# Altium PCB LF_UltraLight_BluClassic.PcbDoc (part 2 of 2)
Units mm, origin at the board's own origin, x right, y up, seen from the top; angles counter-clockwise.
Board outline 130.4 x 63.7 mm, 4 copper layers (Top Layer, Int1 (GND), SignalLay, Bottom Layer), stack 0.55 mm thick; 72 components, 75 nets, 405 pads, 136 vias.
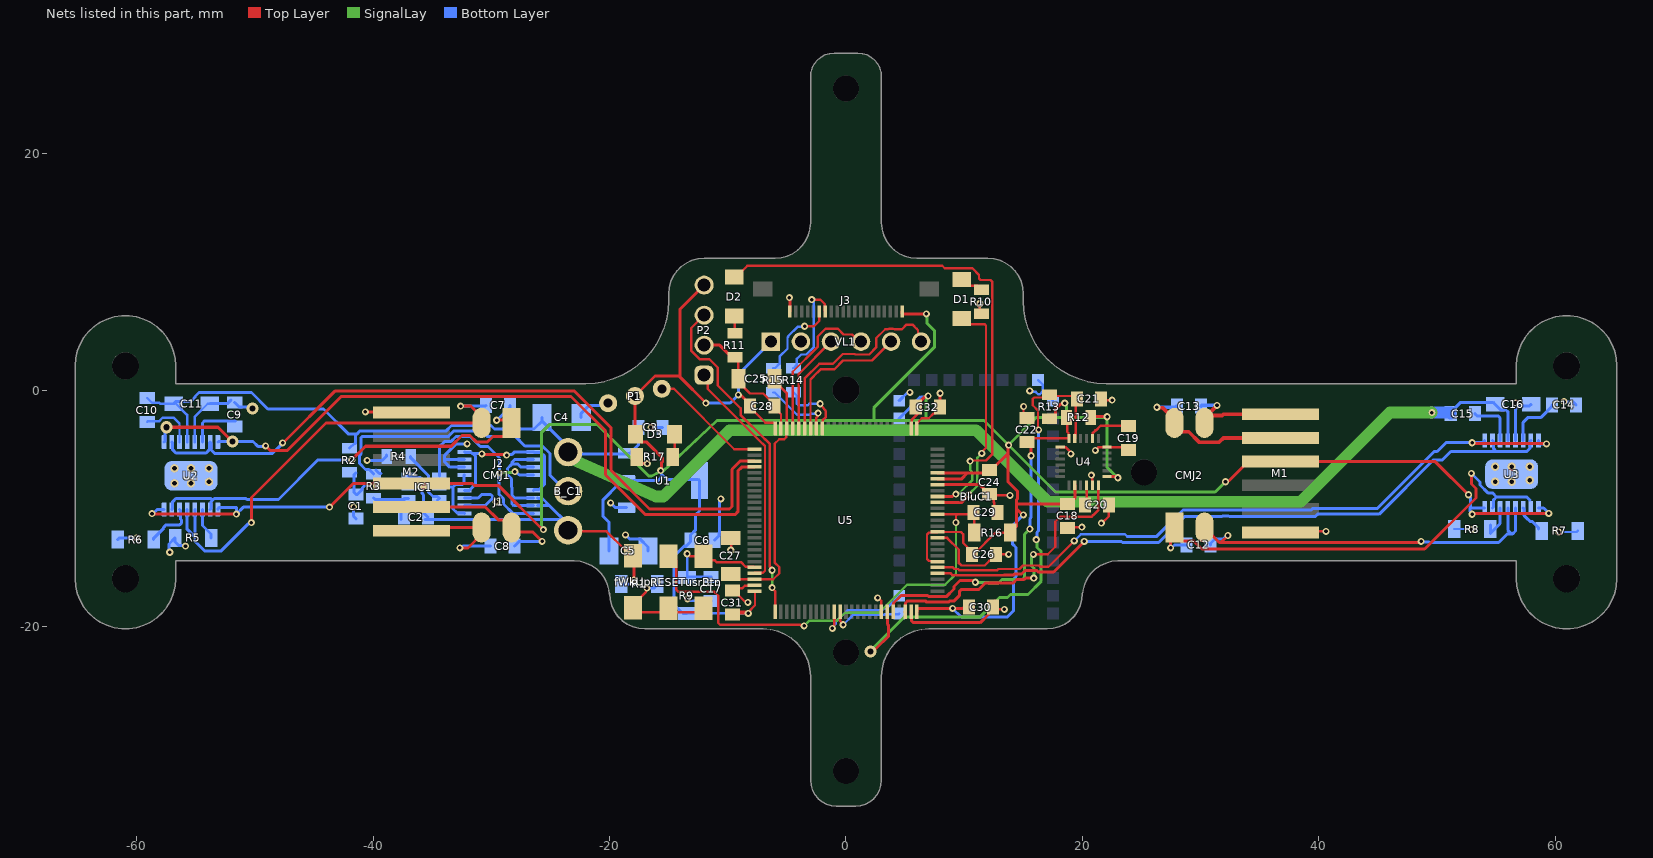
[diagram p4: the nets of this part, all layers, seen from the top]

## Via types
v1: diameter 0.6, hole 0.3, Top Layer to Bottom Layer, tented both sides, 130 vias
v2: diameter 1.016, hole 0.508, Top Layer to Bottom Layer, tented both sides, 6 vias

## Nets (pads, with @x,y where several pads share a name; then routed paths per layer and width w, separated by ;. In a path a pad name is that pad's centre, name@x,y a point inside that pad or via, vN(x,y) a via of type N, cw(c..) or ccw(c..) an arc to the next point about the centre after c; other vN are vias at no path point) (continued)
GND: BluC1.13 BluC1.21 BluC1.22 C1.1 C3.2 C4.2 C5.2 C6.2 C9.2 C11.2 C14.2 C16.2 C17.2 C18.2 C19.2 C20.2 C21.2 C22.2 C24.2 C25.1 C26.2 C27.1 C28.2 C29.2 C30.2 C31.2 C32.2 fWkUp.2 J1.6 J1.7 J2.6 J2.7 J3.20 M1.1 M2.1 P1.3 P2.2 R1.2 R4.1 R5.2 R6.2 R7.2 R8.2 R10.2 R11.2 R17.2 RESET.2 U1.1 U2.13 U2.17 U3.13 U3.17 U4.1 U4.11 U4.18 U5.10 U5.19 U5.26 U5.49 U5.74 U5.94 U5.99 usrBtn.2 VL1.2 | length 132.2
  Top Layer w0.203: fWkUp.2@-17.95,-18.4 -17.95,-18.112 -16.912,-17.074 -16.912,-16.826 v1(-16.836,-16.75) ; fWkUp.2@-17.35,-18.8 usrBtn.2@-12.2,-18.8 ; v1(-9.744,-13.546) -9.7,-13.502 C27.1@-9.7,-12.452 ; C31.2@-9.65,-16.968 -9.473,-16.968 -8.567,-17.874 -8.376,-17.874 v1(-8.3,-17.95) ; C31.2@-9.584,-17.034 -9.294,-16.744 -8.76,-16.744 -8.565,-16.548 -7.798,-16.548 U5.74@-7.75,-16.5 ; R11.2@-9.4,2.768 -9.1,2.468 C25.1@-9.1,0.95 -9.1,0.696 -8.115,-0.289 -7.002,-0.289 -6.068,-1.223 C28.2@-6.068,-1.35 -6.068,-1.477 -5.5,-2.045 U5.49@-5.5,-3.25 ; v1(2.672,-17.572) 2.759,-17.659 2.809,-17.659 2.995,-17.845 2.995,-18.745 U5.94@3,-18.75 ; U5.26@6,-3.25 6,-2.8 6.413,-2.387 6.995,-2.387 7.399,-1.983 7.526,-1.983 7.932,-1.577 C32.2@7.932,-1.45 ; U5.10@7.75,-12.5 8.55,-12.5 9.55,-13.5 9.55,-14.631 9.756,-14.837 11.73,-14.837 12.133,-14.433 12.294,-14.433 12.482,-14.245 C26.2@12.482,-13.85 ; v1(11.316,7.301) 11.316,6.602 R10.2@11.45,6.468 ; C24.2@12.15,-8.8 C24.2@12.25,-8.9 ; C30.2@12.582,-17.82 12.768,-18.006 12.768,-18.48 12.838,-18.55 v1(13.392,-18.55) ; C26.2@12.7,-13.9 v1(13.75,-13.9) ; C29.2@12.8,-10.35 12.529,-10.079 12.529,-9.529 12.494,-9.494 12.494,-9.144 C24.2@12.25,-8.9 ; v1(13.87,-8.9) C24.2@12.25,-8.9 ; v1(15.016,-1.39) 15.016,-2.066 C22.2@15.3,-2.35 ; U4.1@18.13,-4.82 18.158,-4.848 18.61,-4.848 18.952,-5.191 18.952,-5.324 v1(19.028,-5.4) ; C18.2@18.75,-11.65 18.81,-11.59 v1(19.95,-11.59) ; v1(20.751,-7.193) 20.822,-7.264 20.822,-8.012 U4.11@20.85,-8.04 ; v1(21.1,-5.1) 21.352,-4.848 22.042,-4.848 U4.18@22.07,-4.82 23.638,-4.82 C19.2@23.9,-5.082 ; C21.2@21.55,-0.75 21.65,-0.85 v1(22.51,-0.85) ; v1(21.6,-11.25) 21.65,-11.25 22.232,-10.668 C20.2@22.232,-9.7 ; M1.1@36.75,-12.05 36.85,-11.95 v1(40.6,-11.95)
  Top Layer w0.254: v1(-40.65,-1.85) -36.8,-1.85 M2.1@-36.75,-1.9 ; R17.2@-17.698,-5.65 -17.698,-5.916 -17.393,-6.221 v1(-16.814,-6.221) ; P2.2@-12,3.8 -10.686,3.8 -9.654,2.768 R11.2@-9.4,2.768 ; v1(-4.781,7.826) -4.75,7.795 J3.20@-4.75,6.65 ; U5.99@5.5,-18.75 5.523,-18.773 5.523,-19.485 5.715,-19.677 11.352,-19.677 12.051,-18.978 12.051,-18.858 12.432,-18.477 C30.2@12.432,-18.35 ; U5.19@7.75,-8 11.3,-8 11.642,-8.342 11.642,-8.419 12.023,-8.8 C24.2@12.15,-8.8 ; C32.2@7.932,-1.45 7.968,-1.414 v1(7.968,-0.263)
  Bottom Layer w0.203: U2.13@-55.075,-4.4 -55.075,-2.245 -53.98,-1.15 C11.2@-53.802,-1.15 ; v1(-13.4,-17.65) -13.293,-17.65 -13.111,-17.832 C17.2@-11.4,-17.832 ; v1(15.545,-0.075) 15.621,-0.15 16.039,-0.15 16.239,-0.35 16.407,-0.35 16.632,-0.125 16.725,-0.125 BluC1.22@17.5,-0.9 ; BluC1.21@16.25,0.85 16.648,0.452 16.648,-0.048 ; R8.2@51.452,-11.75 52.85,-11.75 v1(52.9,-11.8) ; v1(60.283,-12.002) 61.796,-12.002 R7.2@61.898,-11.9
  Bottom Layer w0.254: R6.2@-61.6,-12.65 -61.45,-12.5 v1(-60,-12.5) ; v1(-57.2,-13.714) -57.256,-13.658 -57.256,-13.008 R5.2@-56.748,-12.5 -56.748,-12.83 -56.443,-13.135 -55.929,-13.135 v1(-55.864,-13.2) ; C11.2@-53.802,-1.15 -52.327,-1.15 C9.2@-52.027,-0.85 ; C9.2@-51.7,-1.05 -51.319,-1.431 -50.319,-1.431 v2(-50.2,-1.55) ; v1(-41.65,-9.89) -41.65,-10.667 C1.1@-41.435,-10.882 ; v1(-40.503,-5.95) -39.231,-5.95 R4.1@-38.85,-5.569 ; R4.1@-38.85,-5.6 R4.1@-38.85,-5.473 ; J1.6@-32.275,-9.775 -30.525,-9.775 -29.902,-9.152 ; J1.7@-32.275,-9.125 -31.107,-9.125 -30.817,-8.835 -30.05,-8.835 -29.902,-8.984 -29.902,-9.152 ; J2.6@-32.275,-6.525 -33.503,-6.525 -33.943,-6.085 -33.943,-5.875 ; J2.7@-32.275,-5.875 -33.943,-5.875 ; v1(-32.05,-4.547) -32.974,-4.547 -33.943,-5.516 -33.943,-5.875 ; v1(-29.6,-9.453) -29.902,-9.152 ; C4.2@-22.4,-2.3 -22.4,-1.97 -21.714,-1.284 -20.296,-1.284 P1.3@-20.12,-1.108 ; v1(-19.906,-9.536) -19.491,-9.95 U1.1@-18.55,-9.95 ; v1(-18.65,-12.25) -18.316,-12.584 -17.434,-12.584 -16.748,-13.27 C5.2@-16.748,-13.6 ; v1(-16.836,-16.75) -16.257,-16.75 -15.952,-16.445 R1.2@-15.952,-16.4 ; v1(-16.5,-3.15) C3.2@-15.518,-3.15 ; C6.2@-11.118,-12.7 -10.737,-12.319 -10.737,-12.093 -10.687,-12.043 -10.687,-9.314 v1(-10.579,-9.206) ; BluC1.13@4.5,-0.9 5.15,-0.25 5.319,-0.25 5.38,-0.189 v1(5.4,-0.189) ; v1(56.613,-1.091) 56.641,-1.091 56.9,-1.35 ; U3.13@56.625,-4.265 56.625,-1.625 56.9,-1.35 ; C16.2@57.948,-1.2 57.798,-1.35 56.9,-1.35 ; v1(60.729,-0.98) 60.765,-1.016 61.516,-1.016 C14.2@61.75,-1.25
I2C1_SCL_MPU6050: C21.1 R13.2 U4.23 U5.95 | length 43.2
  Top Layer w0.203: v1(16.292,-3.363) 16.237,-3.307 16.237,-1.717 15.8,-1.28 15.8,-0.742 15.919,-0.623 17.077,-0.623 17.2,-0.5 19.268,-0.5 C21.1@19.518,-0.75 ; U4.23@19.35,-4.1 19.378,-4.072 19.378,-3.728 19.418,-3.688 C21.1@19.418,-1.364
  Top Layer w0.254: v2@2.5,-21.9 3.609,-20.791 3.609,-19.903 3.5,-19.794 U5.95@3.5,-18.75
  SignalLay w0.254: v2(2.059,-22.112) 2.059,-22.076 4.955,-19.18 11.361,-19.18 12.438,-18.104 12.438,-18.087 12.975,-17.55 13.65,-17.55 13.92,-17.28 15.391,-17.28 16.51,-16.161 16.51,-13.66 16.16,-13.31 16.16,-12.716 v1(16.094,-12.65)
  Bottom Layer w0.254: v1(16.094,-12.65) 16.16,-12.584 16.16,-12.031 16.267,-11.924 16.267,-5.824 16.28,-5.811 16.28,-5.289 16.267,-5.276 16.267,-3.388 v1(16.292,-3.363)
I2C1_SDA_MPU6050: C22.1 R12.2 U4.24 U5.96 | length 30
  Top Layer w0.203: C22.1@15.35,-3.982 15.44,-4.072 18.822,-4.072 18.822,-3.643 18.718,-3.54 R12.2@18.718,-2.6
  Top Layer w0.254: U5.96@4,-18.75 4.023,-18.727 4.023,-18.015 4.672,-17.366 6.904,-17.366 7.015,-17.477 8.485,-17.477 9.131,-16.831 9.131,-16.617 9.648,-16.1 10.75,-16.1 10.905,-16.255 v1(10.95,-16.255) ; C22.1@15.3,-4.382 15.65,-4.732 v1(15.65,-5.55)
  SignalLay w0.254: v1(10.95,-16.255) 12.005,-16.255 12.05,-16.3 12.932,-16.3 13.232,-16 14.951,-16 15.1,-15.851 15.1,-12.203 15.55,-11.753 v1(15.55,-11.75)
  Bottom Layer w0.254: v1(15.55,-11.75) 15.55,-10.891 15.65,-10.791 v1(15.65,-5.55)
I2C_VL53_SCL: U5.46 VL1.3 | length 8.5
  Top Layer w0.203: U5.46@-4,-3.25 -4,1.37 VL1.3@-1.27,4.1
I2C_VL53_SDA: U5.47 VL1.4 | length 13
  Top Layer w0.203: U5.47@-4.5,-3.25 -4.5,1.55 -2.4,3.65 -2.4,4.511 -1.721,5.19 -0.69,5.19 -0.2,4.7 0.497,4.7 1.097,4.1 VL1.4@1.27,4.1
IR_DATA_IN: P1.1 U5.51 | length 9.9
  Top Layer w0.203: P1.1@-15.58,0.108 -14.558,0.108 -9.45,-5 U5.51@-7.75,-5
M1_uC_PWM1: U3.9 U3.16 U5.5 | length 58.5
  Top Layer w0.203: U5.5@7.75,-15 9.05,-15 9.181,-15.131 9.476,-15.131 9.587,-15.243 12.785,-15.243 12.896,-15.131 14.667,-15.131 14.96,-14.838 16.32,-14.838 16.432,-14.95 17.109,-14.95 v1(19.303,-12.756)
  Top Layer w0.254: v1(52.95,-4.45) 53,-4.5 59.2,-4.5 v1(59.25,-4.55)
  Bottom Layer w0.203: v1(19.303,-12.756) 19.864,-12.195 23.595,-12.195 23.8,-12.4
  Bottom Layer w0.254: 23.8,-12.4 26.25,-12.4 28.5,-10.15 39.35,-10.15 39.498,-10.002 44.952,-10.002 49.754,-5.2 50,-5.2 50.75,-4.45 v1(52.95,-4.45) 53.952,-4.45 54.025,-4.377 U3.9@54.025,-4.265 ; U3.16@58.575,-4.265 58.575,-4.477 58.648,-4.55 v1(59.25,-4.55)
M1_uC_PWM2: U3.10 U3.15 U5.4 | length 56.6
  Top Layer w0.203: U5.4@7.75,-15.5 8.85,-15.5 9,-15.65 13.35,-15.65
  Top Layer w0.254: 13.35,-15.65 14.154,-15.65 14.241,-15.563 14.846,-15.563 15.139,-15.27 16.141,-15.27 16.253,-15.382 17.568,-15.382 v1(20.15,-12.8)
  Bottom Layer w0.254: v1(20.15,-12.8) 23.297,-12.8 23.397,-12.9 26.45,-12.9 28.65,-10.7 31.801,-10.7 31.848,-10.653 32.371,-10.653 32.418,-10.7 39.7,-10.7 39.9,-10.5 45.1,-10.5 49.7,-5.9 50.45,-5.9 51.158,-5.192 55.019,-5.192 ; U3.10@54.675,-4.265 54.748,-4.338 54.748,-4.921 55.019,-5.192 ; U3.15@57.925,-4.265 57.852,-4.338 57.852,-4.921 57.581,-5.192 55.019,-5.192
M2_uC_PWM1: U2.9 U2.16 U5.54 | length 65
  Top Layer w0.254: v2(-57.457,-3.143) -53.107,-3.143 v2(-51.9,-4.35) ; v1(-49.096,-4.72) -49.08,-4.72 -48.7,-5.1 -47.25,-5.1 -42.694,-0.544 -23.256,-0.544 -20.35,-3.45 -20.35,-7.15 -16.957,-10.543 -9.393,-10.543 -9.15,-10.3 -9.15,-6.85 -8.823,-6.523 -7.773,-6.523 U5.54@-7.75,-6.5
  Bottom Layer w0.254: U2.9@-57.675,-4.4 -57.602,-4.327 -57.602,-3.288 v2(-57.457,-3.143) ; U2.16@-53.125,-4.4 -53.075,-4.35 -50.15,-4.35 -49.746,-4.754 -49.13,-4.754 v1(-49.096,-4.72)
M2_uC_PWM2: U2.10 U2.15 U5.53 | length 63.4
  Top Layer w0.254: v1(-47.65,-4.47) -47.62,-4.47 -43.237,-0.087 -22.963,-0.087 -19.893,-3.157 -19.893,-6.757 -19.75,-6.9 -19.75,-6.914 -16.614,-10.05 -9.85,-10.05 -9.65,-9.85 -9.65,-6.704 -8.946,-6 U5.53@-7.75,-6
  Bottom Layer w0.254: U2.10@-57.025,-4.4 -56.952,-4.473 -56.952,-5.056 -56.681,-5.327 -54.119,-5.327 -53.848,-5.056 -53.848,-4.473 U2.15@-53.775,-4.4 -53.702,-4.473 -53.702,-5.056 -53.408,-5.35 -48.5,-5.35 -47.65,-4.5 v1(-47.65,-4.47)
MPU6050_INT: U4.12 U5.98 | length 25.3
  Top Layer w0.203: v1(15.848,-13.889) 17.061,-13.889 17.7,-13.25 17.7,-11.13 18.13,-10.7 20.77,-10.7 20.87,-10.6 20.9,-10.6 21.35,-10.15 U4.12@21.35,-8.04
  Top Layer w0.254: U5.98@5,-18.75 5.023,-18.727 5.023,-18.015 5.215,-17.823 6.714,-17.823 6.825,-17.934 8.675,-17.934 8.789,-17.82 9.162,-17.82 9.588,-17.394 9.588,-17.034 9.737,-16.885 11.211,-16.885 11.796,-16.3 14.15,-16.3 14.43,-16.02 15.072,-16.02 15.192,-15.9 v1(15.88,-15.9)
  SignalLay w0.203: v1@15.707,-14.1 15.848,-13.959 v1(15.848,-13.889)
  SignalLay w0.254: v1@15.707,-14.1 15.707,-14.867 15.88,-15.04 v1(15.88,-15.9)
NET_D: J1.1 J1.8 J2.1 J2.8 | length 14.5
  Top Layer w0.254: v1(-30.8,-5.4) -30.75,-5.45 -28.75,-5.45 v1(-28.7,-5.5)
  Bottom Layer w0.254: J1.8@-32.275,-8.475 -31.85,-8.475 -31.348,-7.973 -31.348,-5.565 -31.54,-5.373 ; J2.8@-32.275,-5.225 -32.227,-5.273 -31.7,-5.273 -31.6,-5.373 -31.54,-5.373 ; v1(-30.8,-5.4) -30.827,-5.373 -31.54,-5.373 ; v1(-28.7,-5.5) -28.634,-5.434 -28.23,-5.434 -28.021,-5.225 J2.1@-26.425,-5.225 -26.377,-5.273 -25.79,-5.273 -25.498,-5.565 -25.498,-7.973 -25.952,-8.427 -26.377,-8.427 J1.1@-26.425,-8.475
NetC1_2: C1.2 IC1.5 R2.2 | length 7
  Bottom Layer w0.254: R2.2@-41.45,-7 -41.6,-7.15 -41.6,-8.668 C1.2@-41.45,-8.818 -41.323,-8.818 -40.942,-8.437 -40.942,-8.31 -40.524,-7.892 -37.633,-7.892 -37.325,-8.2 IC1.5@-37,-8.2
NetC2_1: C2.1 IC1.4 R3.2 | length 5.3
  Bottom Layer w0.254: R3.2@-39.95,-9.132 -39.832,-9.25 -37.325,-9.25 -37.225,-9.15 IC1.4@-37,-9.15 -37.1,-9.15 -37.325,-9.15 -37.65,-9.475 C2.1@-37.65,-10.95
NetC9_1: C9.1 U2.14 | length 4.5
  Bottom Layer w0.254: U2.14@-54.425,-4.4 -54.425,-2.775 -54.25,-2.6 -51.682,-2.6 C9.1@-51.65,-2.632
NetC10_1: C10.1 U2.11 | length 4.7
  Bottom Layer w0.203: C10.1@-59.1,-2.7 -59.05,-2.65 -58.113,-2.65 -57.793,-2.33 -56.87,-2.33 -56.375,-2.825 U2.11@-56.375,-4.4
NetC14_1: C14.1 U3.14 | length 4.7
  Bottom Layer w0.254: U3.14@57.275,-4.265 57.275,-2.725 57.7,-2.3 58.795,-2.3 59.718,-1.377 C14.1@59.718,-1.25
NetC15_1: C15.1 U3.11 | length 4.2
  Bottom Layer w0.254: C15.1@53.182,-2 53.382,-2.2 55.176,-2.2 55.325,-2.349 U3.11@55.325,-4.265
NetC19_1: C19.1 U4.20 | length 3.8
  Top Layer w0.203: U4.20@20.85,-4.1 20.878,-4.072 20.878,-3.62 21.095,-3.403 21.148,-3.403 21.552,-3 23.85,-3 C19.1@23.9,-3.05
NetC20_1: C20.1 U4.10 | length 1.7
  Top Layer w0.203: C20.1@20.2,-9.7 20.35,-9.55 U4.10@20.35,-8.04
NetD1_1: D1.1 R10.1 | length 2
  Top Layer w0.203: D1.1@9.8,9.35 10.333,8.817 11.133,8.817 R10.1@11.45,8.5
NetD2_1: D2.1 R11.1 | length 1.5
  Top Layer w0.203: D2.1@-9.45,6.248 -9.4,6.198 R11.1@-9.4,4.8
NetD3_1: D3.1 R17.1 | length 2
  Top Layer w0.203: R17.1@-14.65,-5.65 -14.5,-5.5 D3.1@-14.5,-3.75
NetIC1_3: IC1.3 R4.2 | length 5
  Bottom Layer w0.254: R4.2@-36.818,-5.6 -36.818,-5.727 -35.327,-7.218 -35.327,-8.61 -34.935,-9.002 -34.548,-9.002 IC1.3@-34.4,-9.15 IC1.3@-34.548,-9.298
NetR5_1: R5.1 U2.3 | length 2.7
  Bottom Layer w0.254: U2.3@-54.425,-10.1 -54.425,-11.445 -53.7,-12.17 R5.1@-53.7,-12.5
NetR6_1: R6.1 U2.6 | length 4.3
  Bottom Layer w0.254: R6.1@-58.552,-12.65 -58.552,-12.523 -57.71,-11.681 -57.71,-11.603 -57.507,-11.4 -56.356,-11.4 -56.207,-11.251 -56.207,-10.997 -56.302,-10.903 -56.302,-10.173 U2.6@-56.375,-10.1
NetR7_1: R7.1 U3.3 | length 2.4
  Bottom Layer w0.254: U3.3@57.275,-9.965 57.348,-10.038 57.348,-10.598 57.398,-10.648 57.398,-10.671 57.619,-10.892 57.642,-10.892 57.865,-11.115 58.044,-11.115 58.552,-11.623 R7.1@58.552,-11.75
NetR8_1: R8.1 U3.6 | length 3.2
  Bottom Layer w0.254: R8.1@54.501,-12.12 55.325,-11.296 U3.6@55.325,-9.965 ; R8.1@54.501,-12.08 R8.1@54.501,-11.42
NetR14_1: R14.1 U5.42 | length 5.5
  Top Layer w0.203: v1(-2.189,-1.156) -1.761,-1.689 -1.7,-1.784 -1.7,-2.273 -1.952,-2.525 -1.952,-3.202 U5.42@-2,-3.25
  Bottom Layer w0.203: R14.1@-4.45,-0.182 -4.15,-0.482 -4.15,-1.15 -4.031,-1.269 -3.22,-1.269 -3.107,-1.156 v1(-2.189,-1.156)
NetR15_2: R15.2 U5.43 | length 6
  Top Layer w0.203: U5.43@-2.5,-3.25 -2.5,-2.326 -2.366,-2.191 v1(-2.366,-1.94)
  Bottom Layer w0.203: R15.2@-6.15,-0.2 -6.023,-0.2 -4.123,-2.1 -3.072,-2.1 -2.971,-1.998 -2.425,-1.998 v1(-2.366,-1.94)
OC: IC1.2 J1.5 J2.5 | length 5.9
  Bottom Layer w0.254: IC1.2@-34.4,-8.2 -33.237,-8.2 ; J1.5@-32.275,-10.425 -32.323,-10.377 -32.91,-10.377 -33.237,-10.05 -33.237,-8.2 ; J2.5@-32.275,-7.175 -32.3,-7.2 -32.3,-7.824 -32.449,-7.973 -33.01,-7.973 -33.237,-8.2
OD: IC1.1 J1.4 J2.4 | length 18.6
  SignalLay w0.254: v1(-29.3,-7) -29.25,-6.95 -28.05,-6.95 v1(-28,-6.9)
  Bottom Layer w0.254: IC1.1@-34.4,-7.25 -34.4,-4.8 -33.964,-4.364 -33.438,-4.364 -32.99,-3.917 -31.783,-3.917 -30.93,-4.77 -30.28,-4.77 -29.3,-5.75 v1(-29.3,-7) -29.35,-7.05 -29.35,-8.812 -28.97,-9.192 -28.97,-9.63 -28.175,-10.425 J1.4@-26.425,-10.425 ; v1(-28,-6.9) -27.906,-6.9 -27.631,-7.175 J2.4@-26.425,-7.175
PB+: B_C1.1 C3.1 C4.1 C10.2 C11.1 C15.2 C16.1 R2.1 U1.3 U2.12 U3.12 | length 145.1
  SignalLay w1: B_C1.1@-23.5,-5.248 -23.363,-5.604 -23.082,-5.886 -16.084,-9.007 -15.457,-9.007 -9.85,-3.4 11,-3.4 17.05,-9.45 38.45,-9.45 46,-1.9 v1(49.55,-1.9)
  Bottom Layer w0.203: C10.2@-59.1,-0.668 -58.694,-1.074 -58.089,-1.074 -58.013,-1.15 C11.1@-56.85,-1.15 ; C11.1@-56.672,-1.15 -55.725,-2.097 U2.12@-55.725,-4.4
  Bottom Layer w0.254: C11.1@-56.85,-1.15 -56.65,-0.95 -55.4,-0.95 -55.062,-0.612 -55.062,-0.551 -54.725,-0.213 -50.287,-0.213 -48.9,-1.6 -44.2,-1.6 -42.107,-3.693 -41.339,-3.693 ; R2.1@-42,-4.9 -41.569,-4.519 -41.495,-4.519 -41.495,-3.849 -41.339,-3.693 ; B_C1.1@-23.5,-5.248 B_C1.1@-23.134,-5.248 ; B_C1.1@-22.982,-5.4 -18.6,-5.4 U1.3@-18.55,-5.35 -18.275,-5.35 -17.55,-4.625 C3.1@-17.55,-3.15 ; B_C1.1@-22.982,-5.35 -25.702,-2.63 C4.1@-25.702,-2.3 -25.702,-2.608 -26.388,-3.293 -29.733,-3.293 -30.024,-3.003 -33.369,-3.003 -33.816,-3.45 -41.096,-3.45 -41.339,-3.693 ; C15.2@51.15,-1.873 51.985,-1.038 54.738,-1.038 C16.1@54.9,-1.2 55.383,-1.683 55.826,-1.683 55.975,-1.831 U3.12@55.975,-4.265
  Bottom Layer w1: v1(49.55,-1.9) 51.142,-1.9 51.15,-1.908 C15.2@51.15,-2
POS_D1: D1.2 U5.16 | length 20.1
  Top Layer w0.203: D1.2@9.8,6.048 10.274,5.574 11.726,5.574 11.845,5.455 11.845,-4.882 11.481,-5.246 v1(11.481,-5.354)
  Top Layer w0.254: U5.16@7.75,-9.5 9.8,-9.5 10.4,-8.9 v1(10.4,-8.85)
  SignalLay w0.203: v1(10.4,-8.85) 10.4,-8.798 11.1,-8.098 11.1,-5.735 v1(11.481,-5.354)
POS_D2: D2.2 U5.17 | length 44.9
  Top Layer w0.203: D2.2@-9.45,9.55 -9.298,9.55 -8.336,10.512 8.138,10.512 8.35,10.3 10.699,10.3 11.25,9.749 11.25,9.45 11.39,9.31 12.21,9.31 12.387,9.133 12.387,-5.413 11.842,-5.958 10.537,-5.958 v1(10.495,-6)
  Top Layer w0.254: U5.17@7.75,-9 9.006,-9 9.206,-8.8 v1(9.3,-8.8)
  SignalLay w0.203: v1(9.3,-8.8) 9.376,-8.724 9.576,-8.724 10.694,-7.606 10.694,-6.956 10.495,-6.757 v1(10.495,-6)
PWM1_M1: C12.1 CMJ2.1 U3.2 U3.7 | length 41
  Top Layer w0.254: v1(27.45,-13.35) 27.45,-11.955 CMJ2.1@27.78,-11.625 27.78,-12.133 28.415,-12.768 29.415,-12.768 30.097,-13.45 48.95,-13.45 53.28,-9.12 53.28,-8.322 52.9,-7.942 v1(52.9,-7.05)
  Bottom Layer w0.254: v1(27.45,-13.35) 27.544,-13.35 27.794,-13.1 C12.1@28.8,-13.1 ; v1(52.9,-7.05) 53.623,-7.773 53.623,-8.035 54.281,-8.692 54.673,-8.692 55.019,-9.038 ; U3.7@54.675,-9.965 54.748,-9.892 54.748,-9.309 55.019,-9.038 ; 57.852,-9.309 57.581,-9.038 55.019,-9.038
PWM1_M2: C7.1 CMJ1.1 U2.2 U2.7 | length 36.8
  Top Layer w0.254: v1(-41.8,-5.9) -40.65,-4.75 -33.388,-4.75 -32.488,-3.85 -31.793,-3.85 -31.271,-4.372 -30.32,-4.372 -29.866,-3.918 -28.915,-3.918 -28.28,-3.283 -28.28,-3.185 -28.915,-2.55 v1(-29.555,-2.55)
  Bottom Layer w0.254: U2.7@-57.025,-10.1 -56.952,-10.027 -56.952,-9.444 -56.681,-9.173 -53.727,-9.173 -53.579,-9.321 ; U2.2@-53.775,-10.1 -53.702,-10.027 -53.702,-9.444 -53.579,-9.321 ; v1(-41.8,-5.9) -44.65,-5.9 -48,-9.25 -50.677,-9.25 -50.754,-9.173 -53.431,-9.173 -53.579,-9.321 ; v1(-29.555,-2.55) -29.523,-2.55 -28.4,-1.427 C7.1@-28.4,-1.3
PWM2_M1: C12.2 CMJ2.2 U3.4 U3.5 | length 34.2
  Top Layer w0.254: CMJ2.2@30.32,-11.625 31.554,-12.859 ; 31.572,-12.877 31.723,-12.877 v1(32.3,-12.3) ; 31.748,-12.877 48.573,-12.877 v1(48.65,-12.8)
  Bottom Layer w0.254: C12.2@30.832,-13.1 30.832,-12.973 31.213,-12.592 31.914,-12.592 32.206,-12.3 v1(32.3,-12.3) ; v1(48.65,-12.8) 48.716,-12.866 49.316,-12.866 49.35,-12.9 55.209,-12.9 55.948,-12.161 56.284,-12.161 ; U3.5@55.975,-9.965 55.975,-11.852 56.284,-12.161 ; U3.4@56.625,-9.965 56.625,-11.925 56.389,-12.161 56.284,-12.161
PWM2_M2: C7.2 CMJ1.2 U2.4 U2.5 | length 40.5
  Top Layer w0.254: v1(-50.286,-11.214) -50.286,-9.086 -43.975,-2.775 CMJ1.2@-30.82,-2.775 -30.82,-2.267 -31.737,-1.35 v1(-32.6,-1.35)
  Bottom Layer w0.254: U2.5@-55.725,-10.1 -55.725,-11.775 -55.05,-12.45 ; U2.4@-55.075,-10.1 -55.05,-10.125 -55.05,-12.45 ; v1(-50.286,-11.214) -50.372,-11.3 -50.55,-11.3 -52.839,-13.589 -54.267,-13.589 -55.05,-12.806 -55.05,-12.45 ; v1(-32.6,-1.35) -30.482,-1.35 C7.2@-30.432,-1.3
PWMM11: C13.1 CMJ2.4 M1.5 | length 13.8
  Top Layer w0.305: v1(26.3,-1.45) 26.356,-1.506 26.817,-1.506 27.78,-2.47 CMJ2.4@27.78,-2.775 27.78,-2.953 28.343,-3.517 28.977,-3.517 29.858,-4.398 31.582,-4.398 31.929,-4.05 M1.5@36.75,-4.05
  Bottom Layer w0.305: v1(26.3,-1.45) 27.9,-1.45 C13.1@28,-1.35
PWMM12: C13.2 CMJ2.3 M1.6 | length 10
  Top Layer w0.305: CMJ2.3@30.32,-2.775 CMJ2.3@30.32,-2.713 ; v1(31.377,-1.296) 30.32,-2.354 CMJ2.3@30.32,-2.713 ; M1.6@36.75,-2.05 31.9,-2.05 31.8,-2.15 30.883,-2.15 CMJ2.3@30.32,-2.713
  Bottom Layer w0.305: C13.2@30.032,-1.35 30.086,-1.296 v1(31.377,-1.296)
PWMM21: C8.1 CMJ1.4 M2.5 | length 14.8
  Top Layer w0.254: M2.5@-36.75,-9.9 -30.497,-9.9 -29.423,-10.974 -28.867,-10.974 -28.28,-11.56 CMJ1.4@-28.28,-11.625 -27.899,-12.006 -26.494,-12.006 v1(-25.7,-12.8)
  Bottom Layer w0.254: C8.1@-28.018,-13.2 -28.018,-13.181 -27.637,-12.8 v1(-25.7,-12.8)
PWMM22: C8.2 CMJ1.3 M2.6 | length 11.6
  Top Layer w0.254: M2.6@-36.75,-11.9 -36.475,-11.625 CMJ1.3@-30.82,-11.625 -30.82,-12.201 -31.969,-13.35 v1(-32.65,-13.35)
  Bottom Layer w0.254: v1(-32.65,-13.35) -32.556,-13.35 -32.406,-13.2 C8.2@-30.05,-13.2
RESET: C29.1 R16.2 RESET.1 U5.14 | length 40.2
  Top Layer w0.203: RESET.1@-14.35,-14.4 -14.35,-16.9 -14.205,-17.045 -11.155,-17.045 -10.81,-17.39 -10.81,-19.69 -10.65,-19.85 -3.867,-19.85 -3.843,-19.874 -3.626,-19.874 v1(-3.55,-19.95) ; U5.14@7.75,-10.5 9.305,-10.5 9.4,-10.5 ; v1(9.3,-11.2) 9.305,-11.195 9.305,-10.595 9.4,-10.5 ; R16.2@10.852,-12.05 10.852,-10.684 10.668,-10.5 9.4,-10.5
  SignalLay w0.203: v1(-3.55,-19.95) -3.1,-19.5 -0.747,-19.5 -0.074,-18.827 2.8,-18.827 5.177,-16.45 8.4,-16.45 9.3,-15.55 v1(9.3,-11.2)
SenD1: J3.14 R14.2 | length 8.7
  Top Layer w0.203: v1(-2.896,7.653) -2.177,7.653 -1.798,7.275 -1.798,6.698 J3.14@-1.75,6.65
  Bottom Layer w0.203: R14.2@-4.45,1.85 -4.15,2.15 -4.15,2.65 -3.79,3.01 -3.359,3.01 -2.72,3.649 -2.72,7.37 -2.896,7.546 v1(-2.896,7.653)
SenD2: J3.15 R15.1 | length 7.3
  Top Layer w0.203: v1(-3.5,5.4) -2.707,5.4 -2.262,5.845 -2.262,6.638 J3.15@-2.25,6.65
  Bottom Layer w0.203: R15.1@-6.15,1.832 -6.023,1.832 -5.617,2.238 -5.617,2.832 -4.95,3.499 -4.95,4.45 -4.9,4.5 -4.9,4.551 -4.105,5.346 -3.554,5.346 v1(-3.5,5.4)
SWCLK: P2.3 U5.76 | length 29
  Top Layer w0.203: P2.3@-12,6.34 -13.105,5.235 -13.105,3.342 -12.387,2.625 -11.568,2.625 -10.85,1.907 -10.85,0.4 -8.91,-1.54 -8.91,-2.11 -6.877,-4.142 -6.857,-4.142 -6.442,-4.557 -6.442,-5.443 -6.442,-14.932 -6.244,-15.131 v1(-6.244,-15.238) ; v1(-6.25,-16.7) -6.25,-16.767 -6,-17.017 U5.76@-6,-18.75
  SignalLay w0.203: v1(-6.25,-16.7) -6.247,-16.697 -6.247,-15.241 v1(-6.244,-15.238)
SWDIO: P2.1 U5.72 | length 19.7
  Top Layer w0.203: P2.1@-12,1.26 -11.702,0.962 -11.702,0.108 -7.046,-4.548 -7.025,-4.548 -6.848,-4.725 -6.848,-5.275 -6.848,-15.101 -6.848,-15.275 -7.025,-15.452 -7.702,-15.452 U5.72@-7.75,-15.5
USART2_BLU_stmRX: BluC1.1 U5.87 | length 6.3
  Top Layer w0.203: U5.87@-0.5,-18.75 -0.5,-19.55 -0.237,-19.813 v1(-0.237,-19.846)
  Bottom Layer w0.203: v1(-0.237,-19.846) 0.596,-19.012 3.237,-19.012 3.302,-18.947 4.453,-18.947 BluC1.1@4.5,-18.9
USART2_BLU_stmTX: BluC1.2 U5.86 | length 8.4
  Top Layer w0.203: v1(-1.156,-20.161) -1.156,-20.054 -1,-19.898 U5.86@-1,-18.75
  Bottom Layer w0.203: v1(-1.156,-20.161) -1.156,-20.054 -0.842,-19.74 -0.842,-19.595 0.147,-18.606 3.068,-18.606 3.203,-18.472 3.428,-18.472 BluC1.2@4.5,-17.4
USER_BTN: C17.1 R9.2 U5.71 usrBtn.1 | length 10.2
  Top Layer w0.203: v1(-13.441,-13.845) -13.237,-14.05 -12.15,-14.05 -11.8,-14.4 -11.1,-14.4 -10.95,-14.55 -8.877,-14.55 -8.475,-14.952 -7.798,-14.952 U5.71@-7.75,-15
  Bottom Layer w0.203: R9.2@-13.45,-15.85 R9.2@-13.441,-15.841 ; v1(-13.441,-13.845) R9.2@-13.441,-15.841 ; C17.1@-11.4,-15.8 -13.4,-15.8 R9.2@-13.441,-15.841
VC: B_C1.2 R3.1 | length 25.8
  Bottom Layer w0.254: R3.1@-39.95,-7.1 -40.331,-6.719 -40.631,-6.719 -41.133,-6.217 -41.133,-5.512 -41.038,-5.416 -41.038,-4.056 -40.889,-3.907 -33.627,-3.907 -33.179,-3.46 -30.802,-3.46 -30.354,-3.907 -27.976,-3.907 -27.16,-4.723 -25.69,-4.723 -25.041,-5.372 -25.041,-7.209 -23.7,-8.55 B_C1.2@-23.5,-8.55 ; R3.1@-39.767,-6.752 -39.469,-7.05 R3.1@-39.35,-7.05 ; B_C1.2@-22.961,-8.241 B_C1.2@-22.55,-8.652
VCAP: C25.2 C27.2 U5.48 U5.73 | length 21.8
  Top Layer w0.203: C27.2@-9.45,-15.748 -9.198,-16 U5.73@-7.75,-16 -6.15,-16 -5.639,-15.489 -5.639,-14.988 -6.036,-14.591 -6.036,-5.611 -6.036,-4.536 -5.652,-4.152 -5.225,-4.152 -5.048,-3.975 -5.048,-3.298 U5.48@-5,-3.25 -5,-0.28 -6.052,0.772 C25.2@-6.052,0.95
VCC: BluC1.12 C5.1 C6.1 C18.1 C24.1 C26.1 C28.1 C30.1 C31.1 C32.1 D3.2 J3.1 M1.4 M2.4 P1.2 P2.4 R9.1 R12.1 R13.1 R16.1 U1.2 U1.4 U2.1 U2.8 U3.1 U3.8 U4.8 U4.13 U5.6 U5.11 U5.20 U5.21 U5.27 U5.50 U5.75 U5.100 VL1.1 | length 317.6
  Top Layer w0.203: C31.1@-9.6,-19 -9.65,-19 -9.534,-18.884 C31.1@-9.275,-18.884 ; v1(-8.268,-18.884) C31.1@-9.275,-18.884 ; C28.1@-8.1,-1.35 -8.1,-1.477 -6.825,-2.752 -6.048,-2.752 -6,-2.8 U5.50@-6,-3.25 ; U5.75@-7.75,-17 -7.702,-17.048 -7.695,-17.048 -7.695,-18.201 -8.303,-18.808 -8.452,-18.808 -8.51,-18.75 -9.223,-18.75 -9.275,-18.802 C31.1@-9.275,-18.884 ; U5.27@5.5,-3.25 5.548,-3.202 5.548,-2.525 6.14,-1.933 C32.1@6.194,-1.933 ; U5.6@7.75,-14.5 7.702,-14.452 7.025,-14.452 6.848,-14.275 6.848,-12.225 7.025,-12.048 7.702,-12.048 U5.11@7.75,-12 9.715,-12 9.915,-12.2 9.915,-12.937 10.262,-13.283 10.262,-13.367 10.492,-13.597 10.576,-13.597 C26.1@10.836,-13.858 ; C26.1@10.666,-13.879 10.692,-13.876 10.71,-13.858 C26.1@10.836,-13.858 ; R16.1@13.9,-12.05 12.65,-12.05 10.842,-13.858 10.868,-13.858 10.839,-13.861 C26.1@10.836,-13.858
  Top Layer w0.254: v1(-58.7,-10.45) -58.665,-10.485 v1(-51.561,-10.485) ; v1(-43.684,-9.9) -41.684,-7.9 -31.594,-7.9 -31.407,-8.087 -29.374,-8.087 -25.661,-11.8 v1(-25.6,-11.8) ; v1(-15.687,-6.811) -15.621,-6.745 -15.621,-6.144 -15.5,-6.023 -15.5,-5.759 -16.848,-4.41 -17.294,-4.41 -17.802,-3.902 D3.2@-17.802,-3.75 -17.85,-3.702 P1.2@-17.85,-0.5 -16.15,1.2 -14.15,1.2 -14.025,1.075 ; P2.4@-12,8.88 -14.025,6.855 -14.025,1.075 ; v1(-11.85,-1.1) -14.025,1.075 ; v1@-8.857,-0.466 -8.1,-1.223 C28.1@-8.1,-1.35 ; J3.1@4.75,6.65 4.75,6.473 4.773,6.45 v1(6.8,6.45) ; C32.1@5.9,-1.45 5.9,-1.323 v1@6.656,-0.567 ; U5.100@6,-18.75 6,-18.507 6.023,-18.484 9.866,-18.484 ; U5.20@7.75,-7.5 9.791,-7.5 10.273,-7.018 ; U5.21@7.75,-7 11.982,-7 C24.1@12.05,-7.068 ; v1(9.015,-18.465) 9.034,-18.484 9.866,-18.484 ; C30.1@10.4,-18.35 10,-18.35 9.866,-18.484 ; C24.1@12.15,-6.768 12.277,-6.768 13.714,-5.331 ; v1(13.75,-4.65) 13.714,-4.686 13.714,-5.331 ; R16.1@13.9,-12.05 14.408,-11.542 14.408,-10.028 ; 14.532,-9.618 C18.1@18.75,-9.618 18.877,-9.618 19.35,-9.145 U4.8@19.35,-8.04 ; v1(15,-10.55) 14.93,-10.55 14.408,-10.028 ; R13.1@17.2,-2.432 17.454,-2.432 17.708,-2.178 17.708,-1.637 18.174,-1.171 18.437,-1.171 v1(18.503,-1.105) ; R12.1@20.682,-2.3 20.729,-2.253 v1(22.089,-2.253) ; U4.13@22.07,-7.32 22.073,-7.323 22.81,-7.323 22.898,-7.411 v1(22.992,-7.411) ; v1(32.1,-7.75) 32.166,-7.684 32.366,-7.684 34,-6.05 49.85,-6.05 v1(52.65,-8.85) ; v1(52.95,-10.5) 53.021,-10.429 v1(59.435,-10.429) ; 13.714,-5.331 13.714,-7.764 14.5,-8.55 14.5,-9.2 14.408,-9.292 14.408,-10.028
  SignalLay w0.254: v1(-25.6,-11.8) -25.766,-11.634 -25.766,-3.599 -25.094,-2.927 -21.023,-2.927 -16.724,-7.226 -16.669,-7.281 -16.459,-7.281 -15.821,-6.946 v1(-15.687,-6.811) -15.553,-6.946 -10.918,-2.57 2.35,-2.57 ; v1(6.8,6.45) 6.85,6.4 6.85,5.65 7.465,5.035 7.465,3.615 2.35,-1.5 2.35,-2.57 ; v1(6.943,-0.501) 6.75,-0.695 6.75,-2.35 6.53,-2.57 ; v1@18.65,-1.35 18.65,-2.3 ; v1(22.992,-7.411) 22.961,-7.411 22.089,-6.539 v1(22.089,-2.253) 22.041,-2.3 18.65,-2.3 ; v1(32.1,-7.75) 31.23,-8.62 17.72,-8.62 v1(13.75,-4.65) ; 2.35,-2.57 6.53,-2.57 ; 6.53,-2.57 11.67,-2.57 v1(13.75,-4.65) ; v1(13.75,-4.65) 16.1,-2.3 18.65,-2.3
  Bottom Layer w0.203: R9.1@-13.436,-18.884 v1(-8.268,-18.884)
  Bottom Layer w0.254: v1(-58.7,-10.45) -58.606,-10.45 -58.256,-10.1 U2.8@-57.675,-10.1 ; U2.1@-53.125,-10.1 -53.125,-10.023 -53.052,-9.95 -51.55,-9.95 -51.55,-10.474 v1(-51.561,-10.485) -50.976,-9.9 v1(-43.684,-9.9) ; C5.1@-20.05,-13.6 -20.05,-11.172 -20.536,-10.686 -20.536,-9.275 -19.234,-7.973 -18.873,-7.973 U1.2@-18.55,-7.65 -15.85,-7.65 -15.85,-7.595 -15.541,-7.286 -15.541,-7.193 -15.621,-7.113 ; -15.5,-7.3 -15.406,-7.3 -15.156,-7.55 -12.5,-7.55 U1.4@-12.4,-7.65 -12.4,-10.236 -12.719,-10.555 -12.719,-11.819 -13.15,-12.25 C6.1@-13.15,-12.7 -13.15,-12.827 -13.531,-13.208 -13.695,-13.208 -14.539,-14.052 -14.539,-18.139 -13.78,-18.898 R9.1@-13.45,-18.898 ; v1(-11.85,-1.1) -9.8,-1.1 v1(-9.1,-0.4) -9.1,1.35 VL1.1@-6.35,4.1 ; BluC1.12@4.5,-2.4 6.333,-0.567 6.877,-0.567 v1(6.943,-0.501) ; v1(9.015,-18.465) 9.73,-19.18 13.653,-19.18 14.15,-18.684 14.15,-16.015 14.38,-15.785 14.38,-13.319 14.1,-13.039 14.1,-11.45 v1(15,-10.55) ; v1(52.65,-8.85) 52.65,-8.944 52.8,-9.094 52.8,-9.965 ; v1(52.95,-10.5) 52.95,-10.406 52.797,-10.254 52.797,-9.968 52.8,-9.965 ; U3.8@54.025,-9.965 52.8,-9.965 ; U3.1@58.575,-9.965 59.015,-9.965 59.45,-10.4 59.435,-10.415 v1(59.435,-10.429)
VL53_GPIO: U5.44 VL1.5 | length 12.3
  Top Layer w0.203: U5.44@-3,-3.25 -3,0.9 -2.737,1.163 -2.737,1.165 -2.152,1.75 -1,1.75 -0.25,2.5 2.21,2.5 VL1.5@3.81,4.1
VL53_XSHUT: U5.45 VL1.6 | length 17.5
  Top Layer w0.203: U5.45@-3.5,-3.25 -3.5,0.976 -2.251,2.225 -1.099,2.225 -0.274,3.05 0.741,3.05 0.781,3.01 1.96,3.01 2.55,3.6 2.55,4.381 3.319,5.15 3.518,5.15 cw(c3.81,4.1) 4.102,5.15 4.729,5.15 5.118,5.539 5.619,5.539 5.973,5.185 ccw(c6.13,5.314) 5.976,5.182 6.088,5.051 6.088,4.362 VL1.6@6.35,4.1
VSS: B_C1.3 C2.2 fWkUp.1 IC1.6 J1.2 J1.3 J2.2 J2.3 R1.1 | length 43.6
  Top Layer w0.203: B_C1.3@-22.55,-11.954 -20.246,-11.954 -18.698,-13.502 -18.01,-13.502 -17.35,-14.162 fWkUp.1@-17.35,-14.4
  Top Layer w0.254: fWkUp.1@-18,-14 -17.945,-14.055 v1(-17.945,-16.057)
  Bottom Layer w0.254: IC1.6@-37,-7.25 -36.852,-7.398 -36.002,-7.398 -35.85,-7.55 -35.85,-8.734 -35.731,-8.853 -35.731,-10.369 C2.2@-35.35,-10.75 ; C2.2@-35.618,-10.95 B_C1.3@-23.782,-10.95 ; -28.25,-6.27 -28.25,-6.1 -28.025,-5.875 J2.2@-26.425,-5.875 ; J1.3@-26.425,-9.775 -28.101,-9.775 -28.25,-9.626 -28.25,-8.9 ; J1.2@-26.425,-9.125 -28.025,-9.125 -28.25,-8.9 ; J2.3@-26.425,-6.525 -27.484,-6.525 -27.739,-6.27 -28.261,-6.27 -28.63,-6.639 -28.63,-7.161 -28.283,-7.508 -28.283,-8.201 -28.25,-8.234 -28.25,-8.9 ; J1.3@-26.075,-9.775 -25.075,-9.775 ; J1.2@-26.075,-9.125 -26.027,-9.173 -25.677,-9.173 -25.075,-9.775 ; B_C1.3@-23.5,-11.852 -23.5,-11.35 -25.075,-9.775 ; B_C1.3@-23.441,-11.291 B_C1.3@-22.778,-11.954 ; R1.1@-19,-16.4 -18.288,-16.4 v1(-17.945,-16.057)
pads on no net: BluC1.3 BluC1.4 BluC1.5 BluC1.6 BluC1.7 BluC1.8 BluC1.9 BluC1.10 BluC1.14 BluC1.15 BluC1.16 BluC1.17 BluC1.18 BluC1.19 BluC1.20 BluC1.23 BluC1.24 BluC1.25 BluC1.27 BluC1.28 BluC1.29 BluC1.30 BluC1.31 BluC1.32 BluC1.33 BluC1.34 J3.16 J3.17 J3.18 J3.19 J3.MP1 J3.MP2 U4.2 U4.3 U4.4 U4.5 U4.6 U4.7 U4.9 U4.14 U4.15 U4.16 U4.17 U4.19 U4.21 U4.22 U5.1 U5.2 U5.3 U5.7 U5.8 U5.9 U5.12 U5.13 U5.15 U5.18 U5.36 U5.37 U5.38 U5.39 U5.40 U5.41 U5.52 U5.55 U5.56 U5.57 U5.58 U5.59 U5.60 U5.61 U5.62 U5.65 U5.66 U5.67 U5.68 U5.69 U5.70 U5.77 U5.78 U5.79 U5.80 U5.81 U5.82 U5.83 U5.88 U5.89 U5.90 U5.91 U5.97

## Polygon pours and split planes (outlines as drawn)
GND on Int1 (GND) "GND_L02_P000" (solid, pour order 0): -64.3,-0.7 -64,-0.4 -13.4,-0.4 -13.3,-0.3 -13.7,0.1 -13.7,9.75 12.302,9.75 18.017,-0.841 62.8,-0.95 63.05,-0.7 64,-1.65 64,-13.55 63.9,-13.65 18.45,-13.65 18.45,-18.9 18.05,-19.3 -17.95,-19.3 -18.963,-17.037 -20.892,-14.1 -64.15,-14.1 -64.15,-0.85

## Silkscreen, mask and mechanical layers (free items; w line width, h text height)
Top Overlay:
  text "VCC" at -14.396,9.546 h0.5 r270
  text "SWD" at -14.796,5.446 h1 r270
  text "STM32H743VIT6" at -6.196,-7.496 h1
Bottom Overlay:
  text "Designed by:" at 51.696,-4.638 h1.52
  text "Teodor Rosołowski" at 51.746,-6.842 h1.52
  text "github.com/trteodor/LineFollower_Light" at 51.946,-9.739 h0.92

## Text inside footprints (layer, text, board x,y; h text height)
BluC1: 3DB "ANTENNA" at 7.19,-22.56 h1.27 r180
J3: Top Overlay "1" at 5.55,5.7 h1.02; Top Overlay "20" at -7.95,5.75 h1.02